# Altium PCB Infrared reception.PcbDoc
Units mil, origin at the board's own origin, x right, y up, seen from the top; angles counter-clockwise.
Board outline 2372.23 x 1189.48 mil, 2 copper layers (Top Layer, Bottom Layer); 21 components, 20 nets, 54 pads, 0 vias.
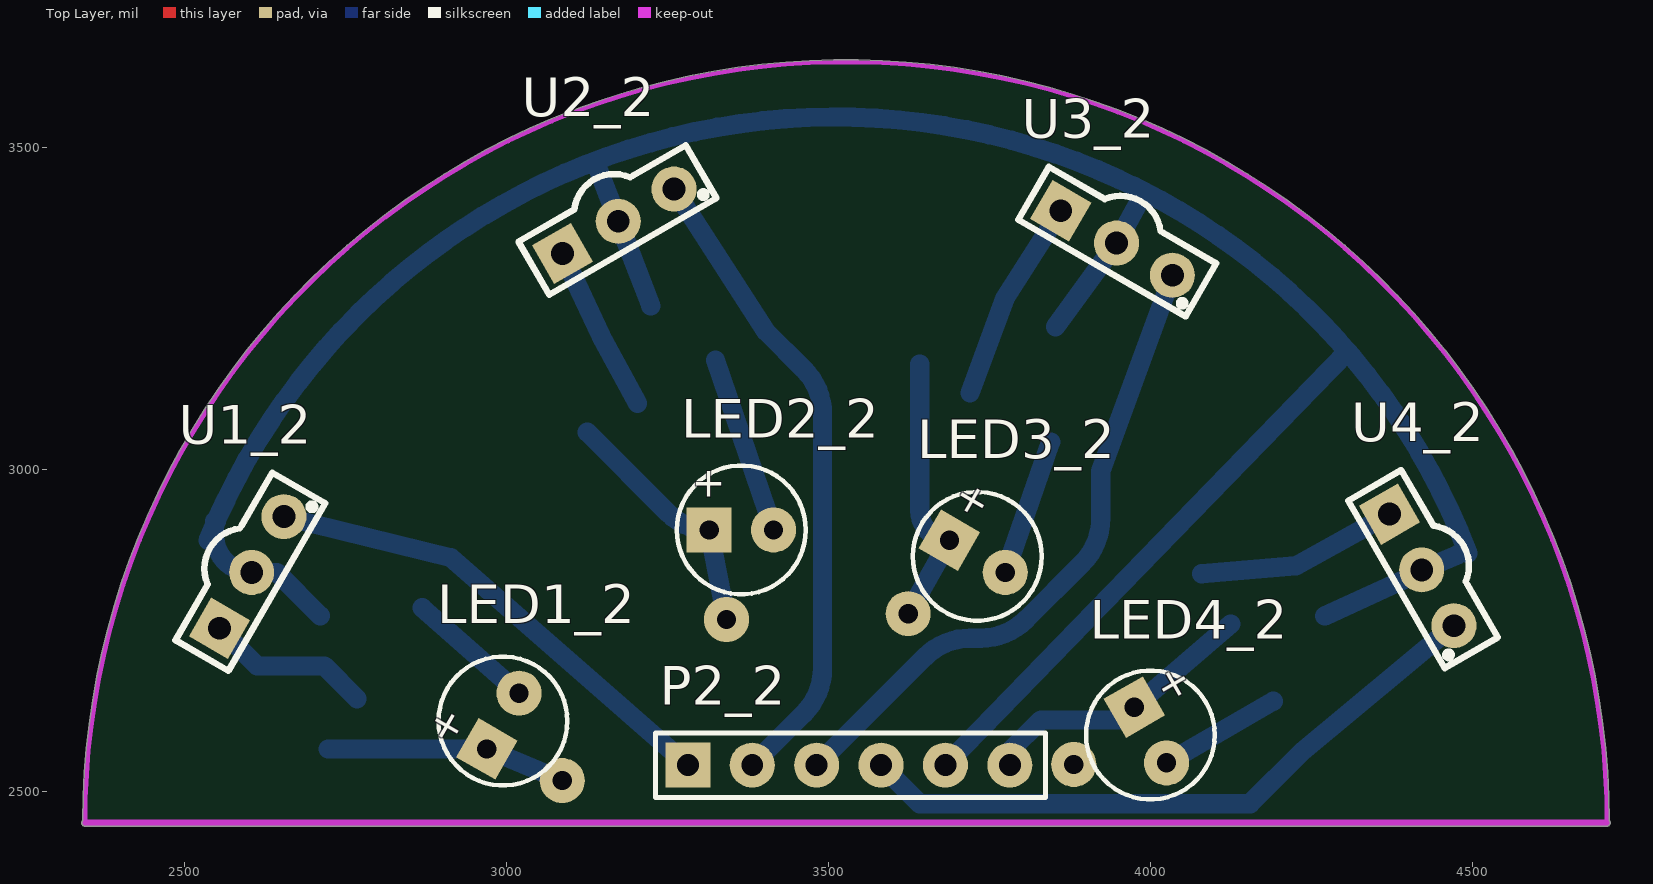
[diagram p0: Top Layer view]
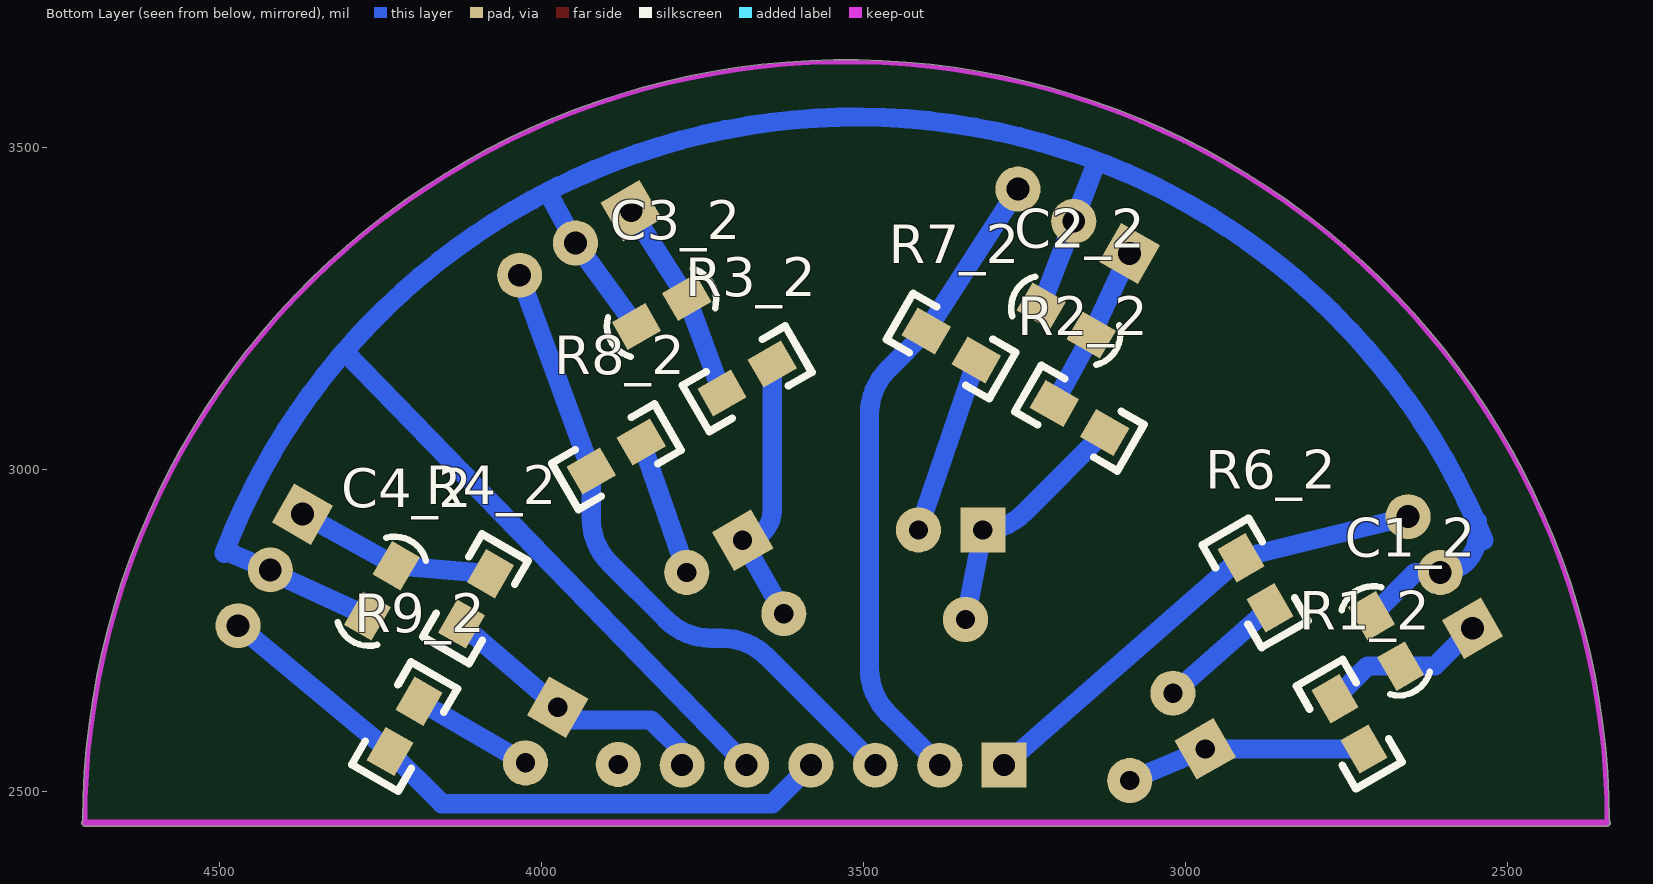
[diagram p1: Bottom Layer view, seen from below]

## Layer stack, top to bottom
Top Solder: solder mask 0.4, Solder Resist, Dk 3.5
Top Layer: signal copper 1.4
Dielectric 1: dielectric 12.6, FR-4, Dk 4.8
Bottom Layer: signal copper 1.4
Bottom Solder: solder mask 0.4, Solder Resist, Dk 3.5

## Board outline
2346.35,2446.19 cw(c2346.35,2451.2) 2342.84,2454.79 cw(c3527.46,2451.2) 4712.07,2454.79 cw(c4708.56,2451.2) 4713.57,2451.2 cw(c4708.56,2451.2) 4708.56,2446.19

## Design rules (kind name [scope] priority, off if disabled: settings)
Clearance [All] p1: gap=10
PolygonConnect [All] p1: connectstyle=Relief reliefconductorwidth=10 reliefentries=4 polygonreliefangle="90 Angle" airgapwidth=10
RoutingVias [All] p1: holewidth=28 width=50 viastyle="Through Hole" minholewidth=28 minwidth=50 maxholewidth=28 maxwidth=50
SolderMaskExpansion [All] p1: expansion=4
Width [All] p1: maxlimit=50 minlimit=10 preferedwidth=20 minimp=50.000000 maximp=50.000000 favimp=50.000000
30 further rules are at their usual default settings.

## Components (designator, comment, footprint, x,y, rotation, side; value= is the part's Value field where it differs from the comment)
C1_2 "104" 0805C 2669,2699 r60 bottom (schematic designator C1)
C2_2 "104" 0805C 3151,3211 r30 bottom (schematic designator C2)
C3_2 "104" 0805C 3779,3264 r330 bottom (schematic designator C3)
C4_2 "104" 0805C 4228,2846 r300 bottom (schematic designator C4)
LED1_2 "LED" RB.1.2 2970,2566.03 r60 top (schematic designator LED1)
LED2_2 "LED" RB.1.2 3315,2906 r0 top (schematic designator LED2)
LED3_2 "LED" RB.1.2 3688,2890 r330 top (schematic designator LED3)
LED4_2 "LED" RB.1.2 3975,2631 r300 top (schematic designator LED4)
P2_2 "Header 6" "Header 6" 3281,2540 r90 top (schematic designator P2)
R1_2 "100R" 0805R 2746,2605 r240 bottom (schematic designator R1)
R2_2 "100R" 0805R 3165,3080 r210 bottom (schematic designator R2)
R3_2 "100R" 0805R 3681,3141 r150 bottom (schematic designator R3)
R4_2 "100R" 0805R 4102,2799 r300 bottom (schematic designator R4)
R6_2 "510R" 0805R 2892,2824 r240 bottom (schematic designator R6)
R7_2 "510R" 0805R 3364,3192 r210 bottom (schematic designator R7)
R8_2 "510R" 0805R 3884,3020 r150 bottom (schematic designator R8)
R9_2 "510R" 0805R 4213,2601 r120 bottom (schematic designator R9)
U1_2 "HS0038/VS1838" HS0038 2605,2840 r60 top (schematic designator U1)
U2_2 "HS0038/VS1838" HS0038 3174,3385 r30 top (schematic designator U2)
U3_2 "HS0038/VS1838" HS0038 3947.39,3351.27 r330 top (schematic designator U3)
U4_2 "HS0038/VS1838" HS0038 4421,2844 r300 top (schematic designator U4)

## Footprints (in the part's own frame and the unit in brackets; to place one, negate y for a bottom-side part, rotate by r counter-clockwise, add the part's x,y. Pads: shape width x height; smd on the part's side, far side on the other; paste and mask are expansions set on the pad)
0805C [mil]
  rect 60x50 smd: 1(-5,0) 2(85,0)
  silkscreen extent -50,-35 131,36, body extent -16,-26 102,29, height 37
0805R [mil]
  rect 60x50 smd: 1(-45,0) 2(45,0)
  silkscreen extent -92,-42 92,41, body extent -38,-25 40,25, height 22
"Header 6" [mil]
  rect 70x70 hole 34: 1(0.95,-0.93)
  round 70 hole 34: 2(0.95,-100.93) 3(0.95,-200.93) 4(0.95,-300.93) 5(0.95,-400.73) 6(0.95,-500.73)
  silkscreen extent -49,-556 51,49, body extent -48,-555 52,45, height 336
HS0038 [mil]
  round 70 hole 35.43: 1(100,0) 2(0,0)
  rect 70x70 hole 35.43: 3(-100,0)
  silkscreen extent -150,-45 150,75
RB.1.2 [mil]
  rect 70x70 hole 30: 1(0,0)
  round 70 hole 30: 2(100,0)
  silkscreen extent -50,-100 150,100, body extent -28,-73 130,85, height 278

## Part data
C1_2 C2_2 C3_2 C4_2: library part Cap1, "无极贴片电容"
LED1_2 LED2_2 LED3_2 LED4_2: "发光二极管"
P2_2: "排针"
R1_2 R2_2 R3_2 R4_2 R6_2 R7_2 R8_2 R9_2: library part Res, "电阻"
U1_2 U2_2 U3_2 U4_2: "一体化红外接收头"

## Free pads (board coordinates)
  round 70 hole 30: 0(3087,2517) 1(3342,2767) 2(3624,2776) 3(3881,2542)

## Nets (pads, with @x,y where several pads share a name; then routed paths per layer and width w, separated by ;. In a path a pad name is that pad's centre, name@x,y a point inside that pad or via, vN(x,y) a via of type N, cw(c..) or ccw(c..) an arc to the next point about the centre after c; other vN are vias at no path point)
GND: 
NetC1_1: 
NetC2_1: 
NetC3_1: 
NetC4_1: 
NetC5_1: 
NetC6_1: 
NetLED1_2: 
NetLED2_2: 
NetLED3_2: 
NetLED4_2: 
NetLED5_2: 
NetLED6_2: 
OUT1: 
OUT2: 
OUT3: 
OUT4: 
OUT5: 
OUT6: 
VCC: 
pads on no net: C1_2.1 C1_2.2 C2_2.1 C2_2.2 C3_2.1 C3_2.2 C4_2.1 C4_2.2 LED1_2.1 LED1_2.2 LED2_2.1 LED2_2.2 LED3_2.1 LED3_2.2 LED4_2.1 LED4_2.2 P2_2.1 P2_2.2 P2_2.3 P2_2.4 P2_2.5 P2_2.6 R1_2.1 R1_2.2 R2_2.1 R2_2.2 R3_2.1 R3_2.2 R4_2.1 R4_2.2 R6_2.1 R6_2.2 R7_2.1 R7_2.2 R8_2.1 R8_2.2 R9_2.1 R9_2.2 U1_2.1 U1_2.2 U1_2.3 U2_2.1 U2_2.2 U2_2.3 U3_2.1 U3_2.2 U3_2.3 U4_2.1 U4_2.2 U4_2.3
copper on no net: | length 11885.9
  Bottom Layer w30: 2537.19,2889.67 cw(c3511,2497) 4492.66,2869.62 ; 2547.42,2919.77 2547.42,2897.58 ccw(c2605,2897.58) 2605,2840 2644.11,2840 2711.5,2772.61 ; 2555,2753.4 2613.73,2694.67 2666.5,2694.67 2717.8,2694.67 2768.5,2643.97 ; 2655,2926.6 2914.5,2862.97 3281.93,2540.95 ; 2723.5,2566.03 2970,2566.03 3087,2517 ; 2869.5,2785.03 3020,2652.63 ; 3087.4,3335 3146.67,3208.5 3203.97,3102.5 ; 3126.03,3057.5 3251.03,2932.5 ccw(c3315,2996.46) 3315,2906 3342,2767 ; 3137.88,3478.47 3174,3385 3224.61,3253.5 ; 3260.6,3435 3402.97,3214.5 3461.71,3155.76 cw(c3391,3085.05) 3491,3085.05 3491,2691.45 cw(c3391,2691.45) 3461.71,2620.73 3381.93,2540.95 ; 3325.03,3169.5 3415,2906 ; 3481.93,2540.95 3649.69,2708.71 cw(c3720.4,2638) 3720.4,2738 3736.58,2738 ccw(c3736.58,2838) 3807.29,2767.29 3893.68,2853.68 ccw(c3822.97,2924.39) 3922.97,2924.39 3922.97,2997.5 4033.99,3301.27 ; 3581.93,2540.95 3641.68,2481.2 4154.68,2481.2 4235.5,2562.03 4471,2757.4 ; 3624,2776 3688,2890 cw(c3688,2935.97) 3642.03,2935.97 3642.03,3163.5 ; 3681.73,2540.95 4306.01,3182.9 cw(c3511,2497) 4317.86,3168.92 ; 3719.97,3118.5 3774.67,3266.5 3860.79,3401.27 ; 3774.6,2840 3845.03,3042.5 ; 3781.73,2540.95 3781.73,2562.73 3830,2611 3955,2611 3975,2631 4124.5,2760.03 ; 3852.61,3221.5 3947.39,3351.27 3990.71,3431.01 ccw(c3511,2497) 3974.33,3439.24 ; 4025,2544.4 4190.5,2639.97 ; 4079.5,2837.97 4225.5,2850.33 4371,2930.6 ; 4270.5,2772.39 4421.95,2841.93 4433,2847 ; 4421,2844 4478,2868

## Keep-outs
Keep-Out Layer:
  lines w7: 2346.35,2451.2 cw(c3527.46,2451.2) 4708.56,2451.2
  lines w10: 2346.35,2451.2 4708.56,2451.2

## Text inside footprints (layer, text, board x,y; h text height)
LED1_2: Top Overlay "+" at 2951.82,2606.55 h78.74 r60
LED2_2: Top Overlay "+" at 3341,2942 h78.74
LED3_2: Top Overlay "+" at 3728.52,2908.18 h78.74 r330
LED4_2: Top Overlay "+" at 4019.18,2626.48 h78.74 r300